# KiCad board cell-sim.kicad_pcb
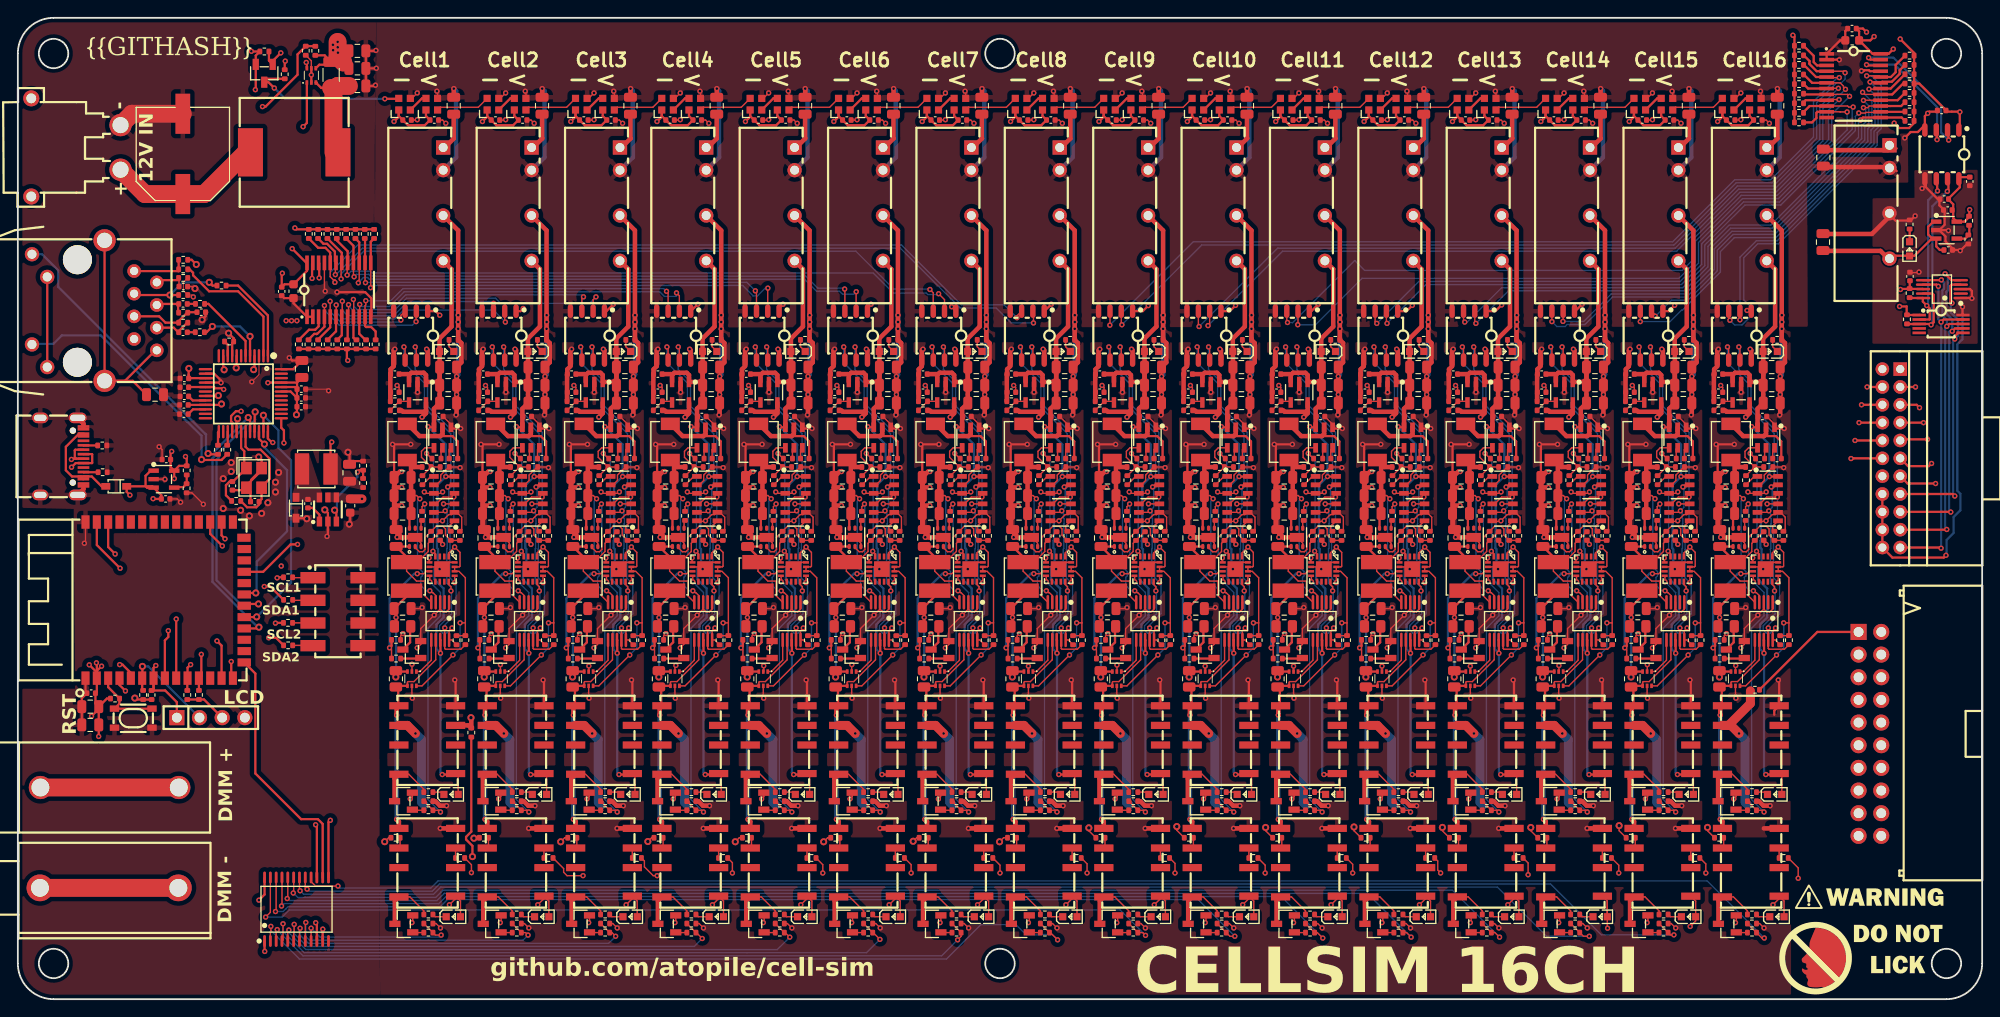
[diagram p0: board, top side]
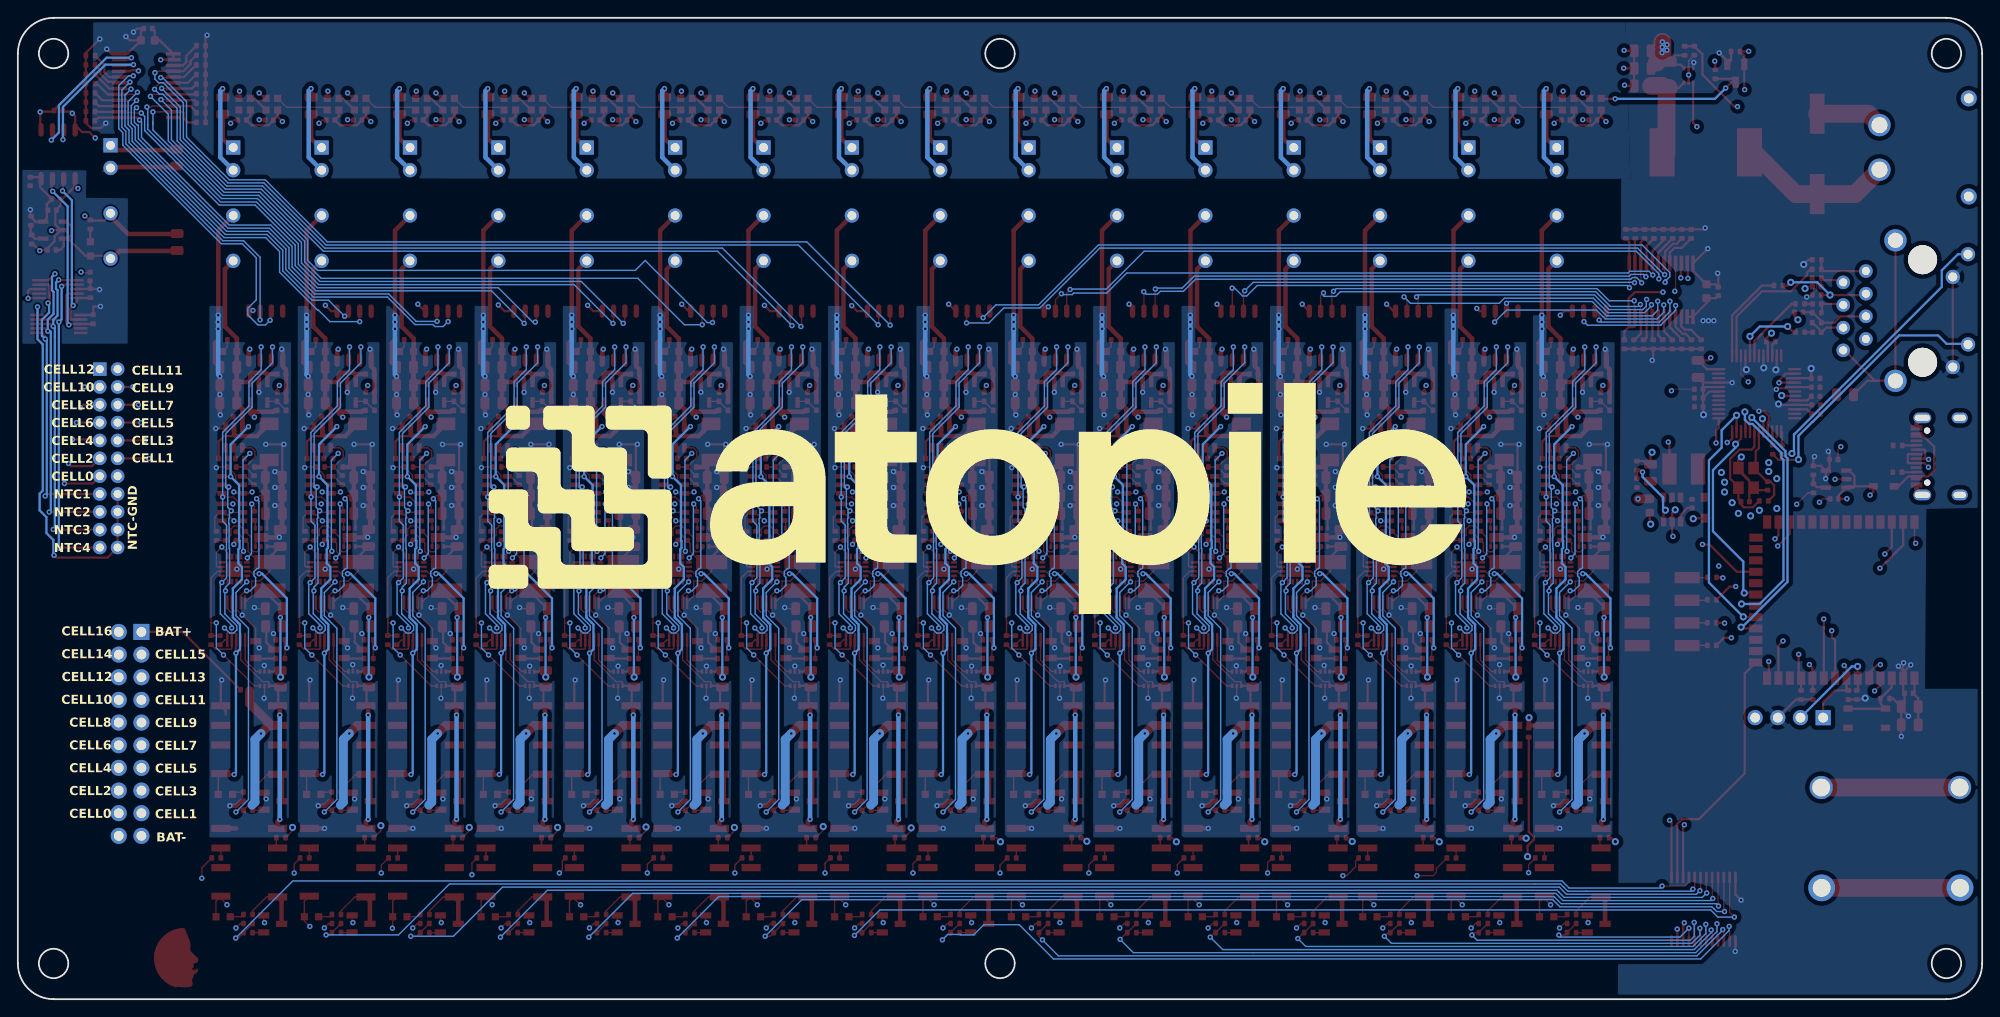
[diagram p1: board, bottom side, seen from below]

Outline 220 x 110 mm; copper layers: Top, In1.Cu, In2.Cu, Bottom. Coordinates in mm from the lower left corner of the outline.
Outline path: circle c4,106 r1.65 ; circle c4,4 r1.65 ; circle c110,106 r1.65 ; circle c110,4 r1.65 ; circle c216,106 r1.65 ; circle c216,4 r1.65 ; 0,106 0,4 arc(1.17,1.17) 4,0 216,0 arc(218.83,1.17) 220,4 220,106 arc(218.83,108.83) 216,110 4,110 arc(1.17,108.83) 0,106
Stack: Top 0.035mm / dielectric 0.1mm FR4 er 4.5 / In1.Cu 0.035mm / dielectric 1.24mm FR4 er 4.5 / In2.Cu 0.035mm / dielectric 0.1mm FR4 er 4.5 / Bottom 0.035mm

## Placement (name value [footprint] x y rotation side)
C1  16V 100nF X7R ±10% 0402 Multilayer Ceramic Capacitors MLCC - SMD/SMT ROHS  [C0402]  8.21 34.3 180 top
C2  25V 10uF X5R ±10% 0805 Multilayer Ceramic Capacitors MLCC - SMD/SMT ROHS  [C0805]  8.11 32.79 180 top
C3  25V 10uF X5R ±10% 0805 Multilayer Ceramic Capacitors MLCC - SMD/SMT ROHS  [C0805]  8.11 30.74 180 top
C4  50V 1nF X7R ±10% 0805 Multilayer Ceramic Capacitors MLCC - SMD/SMT ROHS  [C0805]  15.36 67.76 0 top
C5  50V 22nF X7R ±10% 0402 Multilayer Ceramic Capacitors MLCC - SMD/SMT ROHS  [C0402]  18.53 79.88 0 top
C6  50V 6.8nF X7R ±10% 0402 Multilayer Ceramic Capacitors MLCC - SMD/SMT ROHS  [C0402]  18.5 74.75 180 top
C7  50V 6.8nF X7R ±10% 0402 Multilayer Ceramic Capacitors MLCC - SMD/SMT ROHS  [C0402]  18.5 77.93 180 top
C8  50V 10nF X7R ±10% 0402 Multilayer Ceramic Capacitors MLCC - SMD/SMT ROHS  [C0402]  20.54 77 0 top
C9  50V 10nF X7R ±10% 0402 Multilayer Ceramic Capacitors MLCC - SMD/SMT ROHS  [C0402]  18.6 65.58 180 top
C10  10V 4.7uF X5R ±20% 0402 Multilayer Ceramic Capacitors MLCC - SMD/SMT ROHS  [C0402]  18.65 67.57 180 top
C11  16V 100nF X7R ±10% 0402 Multilayer Ceramic Capacitors MLCC - SMD/SMT ROHS  [C0402]  31.74 67.4 0 top
C12  16V 100nF X7R ±10% 0402 Multilayer Ceramic Capacitors MLCC - SMD/SMT ROHS  [C0402]  18.65 69.58 180 top
C13  16V 100nF X7R ±10% 0402 Multilayer Ceramic Capacitors MLCC - SMD/SMT ROHS  [C0402]  18.65 68.59 180 top
C14  16V 100nF X7R ±10% 0402 Multilayer Ceramic Capacitors MLCC - SMD/SMT ROHS  [C0402]  31.74 66.41 0 top
C15  16V 100nF X7R ±10% 0402 Multilayer Ceramic Capacitors MLCC - SMD/SMT ROHS  [C0402]  31.75 68.38 0 top
C16  16V 100nF X7R ±10% 0402 Multilayer Ceramic Capacitors MLCC - SMD/SMT ROHS  [C0402]  18.6 66.61 180 top
C17  25V 10uF X5R ±10% 0805 Multilayer Ceramic Capacitors MLCC - SMD/SMT ROHS  [C0805]  31.81 70.64 90 top
C18  50V 10pF C0G ±5% 0402 Multilayer Ceramic Capacitors MLCC - SMD/SMT ROHS  [C0402]  24.03 57.54 270 top
C19  50V 10pF C0G ±5% 0402 Multilayer Ceramic Capacitors MLCC - SMD/SMT ROHS  [C0402]  26.54 55.77 180 top
C20  ?  [CAP-SMD_BD10.0-L10.3-W10.3-LS11.0-FD]  18.48 94.75 90 top
C21  25V 10uF X5R ±10% 0805 Multilayer Ceramic Capacitors MLCC - SMD/SMT ROHS  [C0805]  38.03 102.36 0 top
C22  25V 10uF X5R ±10% 0805 Multilayer Ceramic Capacitors MLCC - SMD/SMT ROHS  [C0805]  38.03 106.3 0 top
C23  25V 10uF X5R ±10% 0805 Multilayer Ceramic Capacitors MLCC - SMD/SMT ROHS  [C0805]  38.03 104.33 0 top
C24  16V 100nF X7R ±10% 0402 Multilayer Ceramic Capacitors MLCC - SMD/SMT ROHS  [C0402]  29.55 79.34 270 top
C25  16V 2.2uF X5R ±10% 0603 Multilayer Ceramic Capacitors MLCC - SMD/SMT ROHS  [C0603]  30.87 79.36 270 top
C26  16V 100nF X7R ±10% 0402 Multilayer Ceramic Capacitors MLCC - SMD/SMT ROHS  [C0402]  205.43 108.8 180 top
C27  16V 2.2uF X5R ±10% 0603 Multilayer Ceramic Capacitors MLCC - SMD/SMT ROHS  [C0603]  205.45 107.48 180 top
C28  10V 10uF X5R ±10% 0603 Multilayer Ceramic Capacitors MLCC - SMD/SMT ROHS  [C0603]  37.22 55.31 270 top
C29  25V 10uF X5R ±10% 0805 Multilayer Ceramic Capacitors MLCC - SMD/SMT ROHS  [C0805]  37.15 59.01 90 top
C30  25V 1uF X5R ±10% 0402 Multilayer Ceramic Capacitors MLCC - SMD/SMT ROHS  [C0402]  32.49 55.55 90 top
C31  25V 1uF X5R ±10% 0402 Multilayer Ceramic Capacitors MLCC - SMD/SMT ROHS  [C0402]  16.55 56.07 0 top
C32  25V 1uF X5R ±10% 0402 Multilayer Ceramic Capacitors MLCC - SMD/SMT ROHS  [C0402]  16.63 60.49 180 top
C33  50V 2.2uF X5R ±10% 0805  Multilayer Ceramic Capacitors MLCC - SMD/SMT ROHS  [C0805]  202.21 94.33 270 top
C34  25V 10uF X5R ±10% 0805 Multilayer Ceramic Capacitors MLCC - SMD/SMT ROHS  [C0805]  202.18 84.86 90 top
C35  25V 1uF X5R ±10% 0402 Multilayer Ceramic Capacitors MLCC - SMD/SMT ROHS  [C0402]  216.2 83.97 0 top
C36  25V 1uF X5R ±10% 0402 Multilayer Ceramic Capacitors MLCC - SMD/SMT ROHS  [C0402]  216.16 88.45 180 top
C37  16V 100nF X7R ±10% 0402 Multilayer Ceramic Capacitors MLCC - SMD/SMT ROHS  [C0402]  215.75 89.68 180 top
C38  16V 100nF X7R ±10% 0402 Multilayer Ceramic Capacitors MLCC - SMD/SMT ROHS  [C0402]  211.92 81.01 90 top
C39  16V 100nF X7R ±10% 0402 Multilayer Ceramic Capacitors MLCC - SMD/SMT ROHS  [C0402]  218.62 91.66 270 top
C40  16V 100nF X7R ±10% 0402 Multilayer Ceramic Capacitors MLCC - SMD/SMT ROHS  [C0402]  215.46 99.61 180 top
C41  50V 2.2uF X5R ±10% 0805  Multilayer Ceramic Capacitors MLCC - SMD/SMT ROHS  [C0805]  48.81 100.15 90 top
C42  25V 10uF X5R ±10% 0805 Multilayer Ceramic Capacitors MLCC - SMD/SMT ROHS  [C0805]  48.19 70.85 0 top
C43  25V 10uF X5R ±10% 0805 Multilayer Ceramic Capacitors MLCC - SMD/SMT ROHS  [C0805]  48.19 66.82 0 top
C44  25V 10uF X5R ±10% 0805 Multilayer Ceramic Capacitors MLCC - SMD/SMT ROHS  [C0805]  48.19 68.83 0 top
C45  16V 100nF X7R ±10% 0402 Multilayer Ceramic Capacitors MLCC - SMD/SMT ROHS  [C0402]  47.15 65.31 0 top
C46  25V 10uF X5R ±10% 0805 Multilayer Ceramic Capacitors MLCC - SMD/SMT ROHS  [C0805]  43.09 56.45 180 top
C47  25V 10uF X5R ±10% 0805 Multilayer Ceramic Capacitors MLCC - SMD/SMT ROHS  [C0805]  43.09 54.43 180 top
C48  25V 10uF X5R ±10% 0805 Multilayer Ceramic Capacitors MLCC - SMD/SMT ROHS  [C0805]  43.09 58.48 180 top
C49  16V 100nF X7R ±10% 0402 Multilayer Ceramic Capacitors MLCC - SMD/SMT ROHS  [C0402]  48.78 60.6 0 top
C50  25V 1uF X5R ±10% 0402 Multilayer Ceramic Capacitors MLCC - SMD/SMT ROHS  [C0402]  47.29 51.92 270 top
C51  25V 10uF X5R ±10% 0805 Multilayer Ceramic Capacitors MLCC - SMD/SMT ROHS  [C0805]  42.37 51.69 90 top
C52  25V 10uF X5R ±10% 0805 Multilayer Ceramic Capacitors MLCC - SMD/SMT ROHS  [C0805]  43.09 43.78 0 top
C53  16V 100nF X7R ±10% 0402 Multilayer Ceramic Capacitors MLCC - SMD/SMT ROHS  [C0402]  46.64 98.54 0 top
C54  16V 100nF X7R ±10% 0402 Multilayer Ceramic Capacitors MLCC - SMD/SMT ROHS  [C0402]  43.59 98.54 0 top
C55  25V 1uF X5R ±10% 0402 Multilayer Ceramic Capacitors MLCC - SMD/SMT ROHS  [C0402]  42.22 70.06 180 top
C56  25V 1uF X5R ±10% 0402 Multilayer Ceramic Capacitors MLCC - SMD/SMT ROHS  [C0402]  42.22 68.03 180 top
C57  50V 2.2uF X5R ±10% 0805  Multilayer Ceramic Capacitors MLCC - SMD/SMT ROHS  [C0805]  58.71 100.15 90 top
C58  25V 10uF X5R ±10% 0805 Multilayer Ceramic Capacitors MLCC - SMD/SMT ROHS  [C0805]  58.09 70.85 0 top
C59  25V 10uF X5R ±10% 0805 Multilayer Ceramic Capacitors MLCC - SMD/SMT ROHS  [C0805]  58.09 66.82 0 top
C60  25V 10uF X5R ±10% 0805 Multilayer Ceramic Capacitors MLCC - SMD/SMT ROHS  [C0805]  58.09 68.83 0 top
C61  16V 100nF X7R ±10% 0402 Multilayer Ceramic Capacitors MLCC - SMD/SMT ROHS  [C0402]  57.05 65.31 0 top
C62  25V 10uF X5R ±10% 0805 Multilayer Ceramic Capacitors MLCC - SMD/SMT ROHS  [C0805]  52.99 56.45 180 top
C63  25V 10uF X5R ±10% 0805 Multilayer Ceramic Capacitors MLCC - SMD/SMT ROHS  [C0805]  52.99 54.43 180 top
C64  25V 10uF X5R ±10% 0805 Multilayer Ceramic Capacitors MLCC - SMD/SMT ROHS  [C0805]  52.99 58.48 180 top
C65  16V 100nF X7R ±10% 0402 Multilayer Ceramic Capacitors MLCC - SMD/SMT ROHS  [C0402]  58.68 60.6 0 top
C66  25V 1uF X5R ±10% 0402 Multilayer Ceramic Capacitors MLCC - SMD/SMT ROHS  [C0402]  57.19 51.92 270 top
C67  25V 10uF X5R ±10% 0805 Multilayer Ceramic Capacitors MLCC - SMD/SMT ROHS  [C0805]  52.27 51.69 90 top
C68  25V 10uF X5R ±10% 0805 Multilayer Ceramic Capacitors MLCC - SMD/SMT ROHS  [C0805]  52.99 43.78 0 top
C69  16V 100nF X7R ±10% 0402 Multilayer Ceramic Capacitors MLCC - SMD/SMT ROHS  [C0402]  56.54 98.54 0 top
C70  16V 100nF X7R ±10% 0402 Multilayer Ceramic Capacitors MLCC - SMD/SMT ROHS  [C0402]  53.49 98.54 0 top
C71  25V 1uF X5R ±10% 0402 Multilayer Ceramic Capacitors MLCC - SMD/SMT ROHS  [C0402]  52.12 70.06 180 top
C72  25V 1uF X5R ±10% 0402 Multilayer Ceramic Capacitors MLCC - SMD/SMT ROHS  [C0402]  52.12 68.03 180 top
C73  50V 2.2uF X5R ±10% 0805  Multilayer Ceramic Capacitors MLCC - SMD/SMT ROHS  [C0805]  68.61 100.15 90 top
C74  25V 10uF X5R ±10% 0805 Multilayer Ceramic Capacitors MLCC - SMD/SMT ROHS  [C0805]  67.99 70.85 0 top
C75  25V 10uF X5R ±10% 0805 Multilayer Ceramic Capacitors MLCC - SMD/SMT ROHS  [C0805]  67.99 66.82 0 top
C76  25V 10uF X5R ±10% 0805 Multilayer Ceramic Capacitors MLCC - SMD/SMT ROHS  [C0805]  67.99 68.83 0 top
C77  16V 100nF X7R ±10% 0402 Multilayer Ceramic Capacitors MLCC - SMD/SMT ROHS  [C0402]  66.95 65.31 0 top
C78  25V 10uF X5R ±10% 0805 Multilayer Ceramic Capacitors MLCC - SMD/SMT ROHS  [C0805]  62.89 56.45 180 top
C79  25V 10uF X5R ±10% 0805 Multilayer Ceramic Capacitors MLCC - SMD/SMT ROHS  [C0805]  62.89 54.43 180 top
C80  25V 10uF X5R ±10% 0805 Multilayer Ceramic Capacitors MLCC - SMD/SMT ROHS  [C0805]  62.89 58.48 180 top
C81  16V 100nF X7R ±10% 0402 Multilayer Ceramic Capacitors MLCC - SMD/SMT ROHS  [C0402]  68.58 60.6 0 top
C82  25V 1uF X5R ±10% 0402 Multilayer Ceramic Capacitors MLCC - SMD/SMT ROHS  [C0402]  67.09 51.92 270 top
C83  25V 10uF X5R ±10% 0805 Multilayer Ceramic Capacitors MLCC - SMD/SMT ROHS  [C0805]  62.17 51.69 90 top
C84  25V 10uF X5R ±10% 0805 Multilayer Ceramic Capacitors MLCC - SMD/SMT ROHS  [C0805]  62.89 43.78 0 top
C85  16V 100nF X7R ±10% 0402 Multilayer Ceramic Capacitors MLCC - SMD/SMT ROHS  [C0402]  66.44 98.54 0 top
C86  16V 100nF X7R ±10% 0402 Multilayer Ceramic Capacitors MLCC - SMD/SMT ROHS  [C0402]  63.39 98.54 0 top
C87  25V 1uF X5R ±10% 0402 Multilayer Ceramic Capacitors MLCC - SMD/SMT ROHS  [C0402]  62.02 70.06 180 top
C88  25V 1uF X5R ±10% 0402 Multilayer Ceramic Capacitors MLCC - SMD/SMT ROHS  [C0402]  62.02 68.03 180 top
C89  50V 2.2uF X5R ±10% 0805  Multilayer Ceramic Capacitors MLCC - SMD/SMT ROHS  [C0805]  78.27 100.15 90 top
C90  25V 10uF X5R ±10% 0805 Multilayer Ceramic Capacitors MLCC - SMD/SMT ROHS  [C0805]  77.65 70.85 0 top
C91  25V 10uF X5R ±10% 0805 Multilayer Ceramic Capacitors MLCC - SMD/SMT ROHS  [C0805]  77.65 66.82 0 top
C92  25V 10uF X5R ±10% 0805 Multilayer Ceramic Capacitors MLCC - SMD/SMT ROHS  [C0805]  77.65 68.83 0 top
C93  16V 100nF X7R ±10% 0402 Multilayer Ceramic Capacitors MLCC - SMD/SMT ROHS  [C0402]  76.61 65.31 0 top
C94  25V 10uF X5R ±10% 0805 Multilayer Ceramic Capacitors MLCC - SMD/SMT ROHS  [C0805]  72.55 56.45 180 top
C95  25V 10uF X5R ±10% 0805 Multilayer Ceramic Capacitors MLCC - SMD/SMT ROHS  [C0805]  72.55 54.43 180 top
C96  25V 10uF X5R ±10% 0805 Multilayer Ceramic Capacitors MLCC - SMD/SMT ROHS  [C0805]  72.55 58.48 180 top
C97  16V 100nF X7R ±10% 0402 Multilayer Ceramic Capacitors MLCC - SMD/SMT ROHS  [C0402]  78.24 60.6 0 top
C98  25V 1uF X5R ±10% 0402 Multilayer Ceramic Capacitors MLCC - SMD/SMT ROHS  [C0402]  76.75 51.92 270 top
C99  25V 10uF X5R ±10% 0805 Multilayer Ceramic Capacitors MLCC - SMD/SMT ROHS  [C0805]  71.83 51.69 90 top
C100  25V 10uF X5R ±10% 0805 Multilayer Ceramic Capacitors MLCC - SMD/SMT ROHS  [C0805]  72.55 43.78 0 top
C101  16V 100nF X7R ±10% 0402 Multilayer Ceramic Capacitors MLCC - SMD/SMT ROHS  [C0402]  76.1 98.54 0 top
C102  16V 100nF X7R ±10% 0402 Multilayer Ceramic Capacitors MLCC - SMD/SMT ROHS  [C0402]  73.05 98.54 0 top
C103  25V 1uF X5R ±10% 0402 Multilayer Ceramic Capacitors MLCC - SMD/SMT ROHS  [C0402]  71.68 70.06 180 top
C104  25V 1uF X5R ±10% 0402 Multilayer Ceramic Capacitors MLCC - SMD/SMT ROHS  [C0402]  71.68 68.03 180 top
C105  50V 2.2uF X5R ±10% 0805  Multilayer Ceramic Capacitors MLCC - SMD/SMT ROHS  [C0805]  88.17 100.15 90 top
C106  25V 10uF X5R ±10% 0805 Multilayer Ceramic Capacitors MLCC - SMD/SMT ROHS  [C0805]  87.55 70.85 0 top
C107  25V 10uF X5R ±10% 0805 Multilayer Ceramic Capacitors MLCC - SMD/SMT ROHS  [C0805]  87.55 66.82 0 top
C108  25V 10uF X5R ±10% 0805 Multilayer Ceramic Capacitors MLCC - SMD/SMT ROHS  [C0805]  87.55 68.83 0 top
C109  16V 100nF X7R ±10% 0402 Multilayer Ceramic Capacitors MLCC - SMD/SMT ROHS  [C0402]  86.51 65.31 0 top
C110  25V 10uF X5R ±10% 0805 Multilayer Ceramic Capacitors MLCC - SMD/SMT ROHS  [C0805]  82.44 56.45 180 top
C111  25V 10uF X5R ±10% 0805 Multilayer Ceramic Capacitors MLCC - SMD/SMT ROHS  [C0805]  82.44 54.43 180 top
C112  25V 10uF X5R ±10% 0805 Multilayer Ceramic Capacitors MLCC - SMD/SMT ROHS  [C0805]  82.44 58.48 180 top
C113  16V 100nF X7R ±10% 0402 Multilayer Ceramic Capacitors MLCC - SMD/SMT ROHS  [C0402]  88.14 60.6 0 top
C114  25V 1uF X5R ±10% 0402 Multilayer Ceramic Capacitors MLCC - SMD/SMT ROHS  [C0402]  86.65 51.92 270 top
C115  25V 10uF X5R ±10% 0805 Multilayer Ceramic Capacitors MLCC - SMD/SMT ROHS  [C0805]  81.72 51.69 90 top
C116  25V 10uF X5R ±10% 0805 Multilayer Ceramic Capacitors MLCC - SMD/SMT ROHS  [C0805]  82.44 43.78 0 top
C117  16V 100nF X7R ±10% 0402 Multilayer Ceramic Capacitors MLCC - SMD/SMT ROHS  [C0402]  86 98.54 0 top
C118  16V 100nF X7R ±10% 0402 Multilayer Ceramic Capacitors MLCC - SMD/SMT ROHS  [C0402]  82.95 98.54 0 top
C119  25V 1uF X5R ±10% 0402 Multilayer Ceramic Capacitors MLCC - SMD/SMT ROHS  [C0402]  81.58 70.06 180 top
C120  25V 1uF X5R ±10% 0402 Multilayer Ceramic Capacitors MLCC - SMD/SMT ROHS  [C0402]  81.58 68.03 180 top
C121  50V 2.2uF X5R ±10% 0805  Multilayer Ceramic Capacitors MLCC - SMD/SMT ROHS  [C0805]  98.07 100.15 90 top
C122  25V 10uF X5R ±10% 0805 Multilayer Ceramic Capacitors MLCC - SMD/SMT ROHS  [C0805]  97.45 70.85 0 top
C123  25V 10uF X5R ±10% 0805 Multilayer Ceramic Capacitors MLCC - SMD/SMT ROHS  [C0805]  97.45 66.82 0 top
C124  25V 10uF X5R ±10% 0805 Multilayer Ceramic Capacitors MLCC - SMD/SMT ROHS  [C0805]  97.44 68.83 0 top
C125  16V 100nF X7R ±10% 0402 Multilayer Ceramic Capacitors MLCC - SMD/SMT ROHS  [C0402]  96.41 65.31 0 top
C126  25V 10uF X5R ±10% 0805 Multilayer Ceramic Capacitors MLCC - SMD/SMT ROHS  [C0805]  92.34 56.45 180 top
C127  25V 10uF X5R ±10% 0805 Multilayer Ceramic Capacitors MLCC - SMD/SMT ROHS  [C0805]  92.34 54.43 180 top
C128  25V 10uF X5R ±10% 0805 Multilayer Ceramic Capacitors MLCC - SMD/SMT ROHS  [C0805]  92.34 58.48 180 top
C129  16V 100nF X7R ±10% 0402 Multilayer Ceramic Capacitors MLCC - SMD/SMT ROHS  [C0402]  98.04 60.6 0 top
C130  25V 1uF X5R ±10% 0402 Multilayer Ceramic Capacitors MLCC - SMD/SMT ROHS  [C0402]  96.55 51.92 270 top
C131  25V 10uF X5R ±10% 0805 Multilayer Ceramic Capacitors MLCC - SMD/SMT ROHS  [C0805]  91.62 51.69 90 top
C132  25V 10uF X5R ±10% 0805 Multilayer Ceramic Capacitors MLCC - SMD/SMT ROHS  [C0805]  92.34 43.78 0 top
C133  16V 100nF X7R ±10% 0402 Multilayer Ceramic Capacitors MLCC - SMD/SMT ROHS  [C0402]  95.9 98.54 0 top
C134  16V 100nF X7R ±10% 0402 Multilayer Ceramic Capacitors MLCC - SMD/SMT ROHS  [C0402]  92.85 98.54 0 top
C135  25V 1uF X5R ±10% 0402 Multilayer Ceramic Capacitors MLCC - SMD/SMT ROHS  [C0402]  91.48 70.06 180 top
C136  25V 1uF X5R ±10% 0402 Multilayer Ceramic Capacitors MLCC - SMD/SMT ROHS  [C0402]  91.48 68.03 180 top
C137  50V 2.2uF X5R ±10% 0805  Multilayer Ceramic Capacitors MLCC - SMD/SMT ROHS  [C0805]  107.97 100.15 90 top
C138  25V 10uF X5R ±10% 0805 Multilayer Ceramic Capacitors MLCC - SMD/SMT ROHS  [C0805]  107.34 70.85 0 top
C139  25V 10uF X5R ±10% 0805 Multilayer Ceramic Capacitors MLCC - SMD/SMT ROHS  [C0805]  107.34 66.82 0 top
C140  25V 10uF X5R ±10% 0805 Multilayer Ceramic Capacitors MLCC - SMD/SMT ROHS  [C0805]  107.34 68.83 0 top
C141  16V 100nF X7R ±10% 0402 Multilayer Ceramic Capacitors MLCC - SMD/SMT ROHS  [C0402]  106.3 65.31 0 top
C142  25V 10uF X5R ±10% 0805 Multilayer Ceramic Capacitors MLCC - SMD/SMT ROHS  [C0805]  102.24 56.45 180 top
C143  25V 10uF X5R ±10% 0805 Multilayer Ceramic Capacitors MLCC - SMD/SMT ROHS  [C0805]  102.24 54.43 180 top
C144  25V 10uF X5R ±10% 0805 Multilayer Ceramic Capacitors MLCC - SMD/SMT ROHS  [C0805]  102.24 58.48 180 top
C145  16V 100nF X7R ±10% 0402 Multilayer Ceramic Capacitors MLCC - SMD/SMT ROHS  [C0402]  107.93 60.6 0 top
C146  25V 1uF X5R ±10% 0402 Multilayer Ceramic Capacitors MLCC - SMD/SMT ROHS  [C0402]  106.45 51.92 270 top
C147  25V 10uF X5R ±10% 0805 Multilayer Ceramic Capacitors MLCC - SMD/SMT ROHS  [C0805]  101.52 51.69 90 top
C148  25V 10uF X5R ±10% 0805 Multilayer Ceramic Capacitors MLCC - SMD/SMT ROHS  [C0805]  102.24 43.78 0 top
C149  16V 100nF X7R ±10% 0402 Multilayer Ceramic Capacitors MLCC - SMD/SMT ROHS  [C0402]  105.79 98.54 0 top
C150  16V 100nF X7R ±10% 0402 Multilayer Ceramic Capacitors MLCC - SMD/SMT ROHS  [C0402]  102.75 98.54 0 top
C151  25V 1uF X5R ±10% 0402 Multilayer Ceramic Capacitors MLCC - SMD/SMT ROHS  [C0402]  101.38 70.06 180 top
C152  25V 1uF X5R ±10% 0402 Multilayer Ceramic Capacitors MLCC - SMD/SMT ROHS  [C0402]  101.38 68.03 180 top
C153  50V 2.2uF X5R ±10% 0805  Multilayer Ceramic Capacitors MLCC - SMD/SMT ROHS  [C0805]  117.86 100.15 90 top
C154  25V 10uF X5R ±10% 0805 Multilayer Ceramic Capacitors MLCC - SMD/SMT ROHS  [C0805]  117.24 70.85 0 top
C155  25V 10uF X5R ±10% 0805 Multilayer Ceramic Capacitors MLCC - SMD/SMT ROHS  [C0805]  117.24 66.82 0 top
C156  25V 10uF X5R ±10% 0805 Multilayer Ceramic Capacitors MLCC - SMD/SMT ROHS  [C0805]  117.24 68.83 0 top
C157  16V 100nF X7R ±10% 0402 Multilayer Ceramic Capacitors MLCC - SMD/SMT ROHS  [C0402]  116.2 65.31 0 top
C158  25V 10uF X5R ±10% 0805 Multilayer Ceramic Capacitors MLCC - SMD/SMT ROHS  [C0805]  112.14 56.45 180 top
C159  25V 10uF X5R ±10% 0805 Multilayer Ceramic Capacitors MLCC - SMD/SMT ROHS  [C0805]  112.14 54.43 180 top
C160  25V 10uF X5R ±10% 0805 Multilayer Ceramic Capacitors MLCC - SMD/SMT ROHS  [C0805]  112.14 58.48 180 top
C161  16V 100nF X7R ±10% 0402 Multilayer Ceramic Capacitors MLCC - SMD/SMT ROHS  [C0402]  117.83 60.6 0 top
C162  25V 1uF X5R ±10% 0402 Multilayer Ceramic Capacitors MLCC - SMD/SMT ROHS  [C0402]  116.34 51.92 270 top
C163  25V 10uF X5R ±10% 0805 Multilayer Ceramic Capacitors MLCC - SMD/SMT ROHS  [C0805]  111.42 51.69 90 top
C164  25V 10uF X5R ±10% 0805 Multilayer Ceramic Capacitors MLCC - SMD/SMT ROHS  [C0805]  112.14 43.78 0 top
C165  16V 100nF X7R ±10% 0402 Multilayer Ceramic Capacitors MLCC - SMD/SMT ROHS  [C0402]  115.69 98.54 0 top
C166  16V 100nF X7R ±10% 0402 Multilayer Ceramic Capacitors MLCC - SMD/SMT ROHS  [C0402]  112.64 98.54 0 top
C167  25V 1uF X5R ±10% 0402 Multilayer Ceramic Capacitors MLCC - SMD/SMT ROHS  [C0402]  111.27 70.06 180 top
C168  25V 1uF X5R ±10% 0402 Multilayer Ceramic Capacitors MLCC - SMD/SMT ROHS  [C0402]  111.27 68.03 180 top
C169  50V 2.2uF X5R ±10% 0805  Multilayer Ceramic Capacitors MLCC - SMD/SMT ROHS  [C0805]  127.76 100.15 90 top
C170  25V 10uF X5R ±10% 0805 Multilayer Ceramic Capacitors MLCC - SMD/SMT ROHS  [C0805]  127.14 70.85 0 top
C171  25V 10uF X5R ±10% 0805 Multilayer Ceramic Capacitors MLCC - SMD/SMT ROHS  [C0805]  127.14 66.82 0 top
C172  25V 10uF X5R ±10% 0805 Multilayer Ceramic Capacitors MLCC - SMD/SMT ROHS  [C0805]  127.14 68.83 0 top
C173  16V 100nF X7R ±10% 0402 Multilayer Ceramic Capacitors MLCC - SMD/SMT ROHS  [C0402]  126.1 65.31 0 top
C174  25V 10uF X5R ±10% 0805 Multilayer Ceramic Capacitors MLCC - SMD/SMT ROHS  [C0805]  122.04 56.45 180 top
C175  25V 10uF X5R ±10% 0805 Multilayer Ceramic Capacitors MLCC - SMD/SMT ROHS  [C0805]  122.04 54.43 180 top
C176  25V 10uF X5R ±10% 0805 Multilayer Ceramic Capacitors MLCC - SMD/SMT ROHS  [C0805]  122.04 58.48 180 top
C177  16V 100nF X7R ±10% 0402 Multilayer Ceramic Capacitors MLCC - SMD/SMT ROHS  [C0402]  127.73 60.6 0 top
C178  25V 1uF X5R ±10% 0402 Multilayer Ceramic Capacitors MLCC - SMD/SMT ROHS  [C0402]  126.24 51.92 270 top
C179  25V 10uF X5R ±10% 0805 Multilayer Ceramic Capacitors MLCC - SMD/SMT ROHS  [C0805]  121.32 51.69 90 top
C180  25V 10uF X5R ±10% 0805 Multilayer Ceramic Capacitors MLCC - SMD/SMT ROHS  [C0805]  122.04 43.78 0 top
C181  16V 100nF X7R ±10% 0402 Multilayer Ceramic Capacitors MLCC - SMD/SMT ROHS  [C0402]  125.59 98.54 0 top
C182  16V 100nF X7R ±10% 0402 Multilayer Ceramic Capacitors MLCC - SMD/SMT ROHS  [C0402]  122.54 98.54 0 top
C183  25V 1uF X5R ±10% 0402 Multilayer Ceramic Capacitors MLCC - SMD/SMT ROHS  [C0402]  121.17 70.06 180 top
C184  25V 1uF X5R ±10% 0402 Multilayer Ceramic Capacitors MLCC - SMD/SMT ROHS  [C0402]  121.17 68.03 180 top
C185  50V 2.2uF X5R ±10% 0805  Multilayer Ceramic Capacitors MLCC - SMD/SMT ROHS  [C0805]  137.66 100.15 90 top
C186  25V 10uF X5R ±10% 0805 Multilayer Ceramic Capacitors MLCC - SMD/SMT ROHS  [C0805]  137.04 70.85 0 top
C187  25V 10uF X5R ±10% 0805 Multilayer Ceramic Capacitors MLCC - SMD/SMT ROHS  [C0805]  137.04 66.82 0 top
C188  25V 10uF X5R ±10% 0805 Multilayer Ceramic Capacitors MLCC - SMD/SMT ROHS  [C0805]  137.04 68.83 0 top
C189  16V 100nF X7R ±10% 0402 Multilayer Ceramic Capacitors MLCC - SMD/SMT ROHS  [C0402]  136 65.31 0 top